# KiCad board FPGA_DevBoard.kicad_pcb (continued)
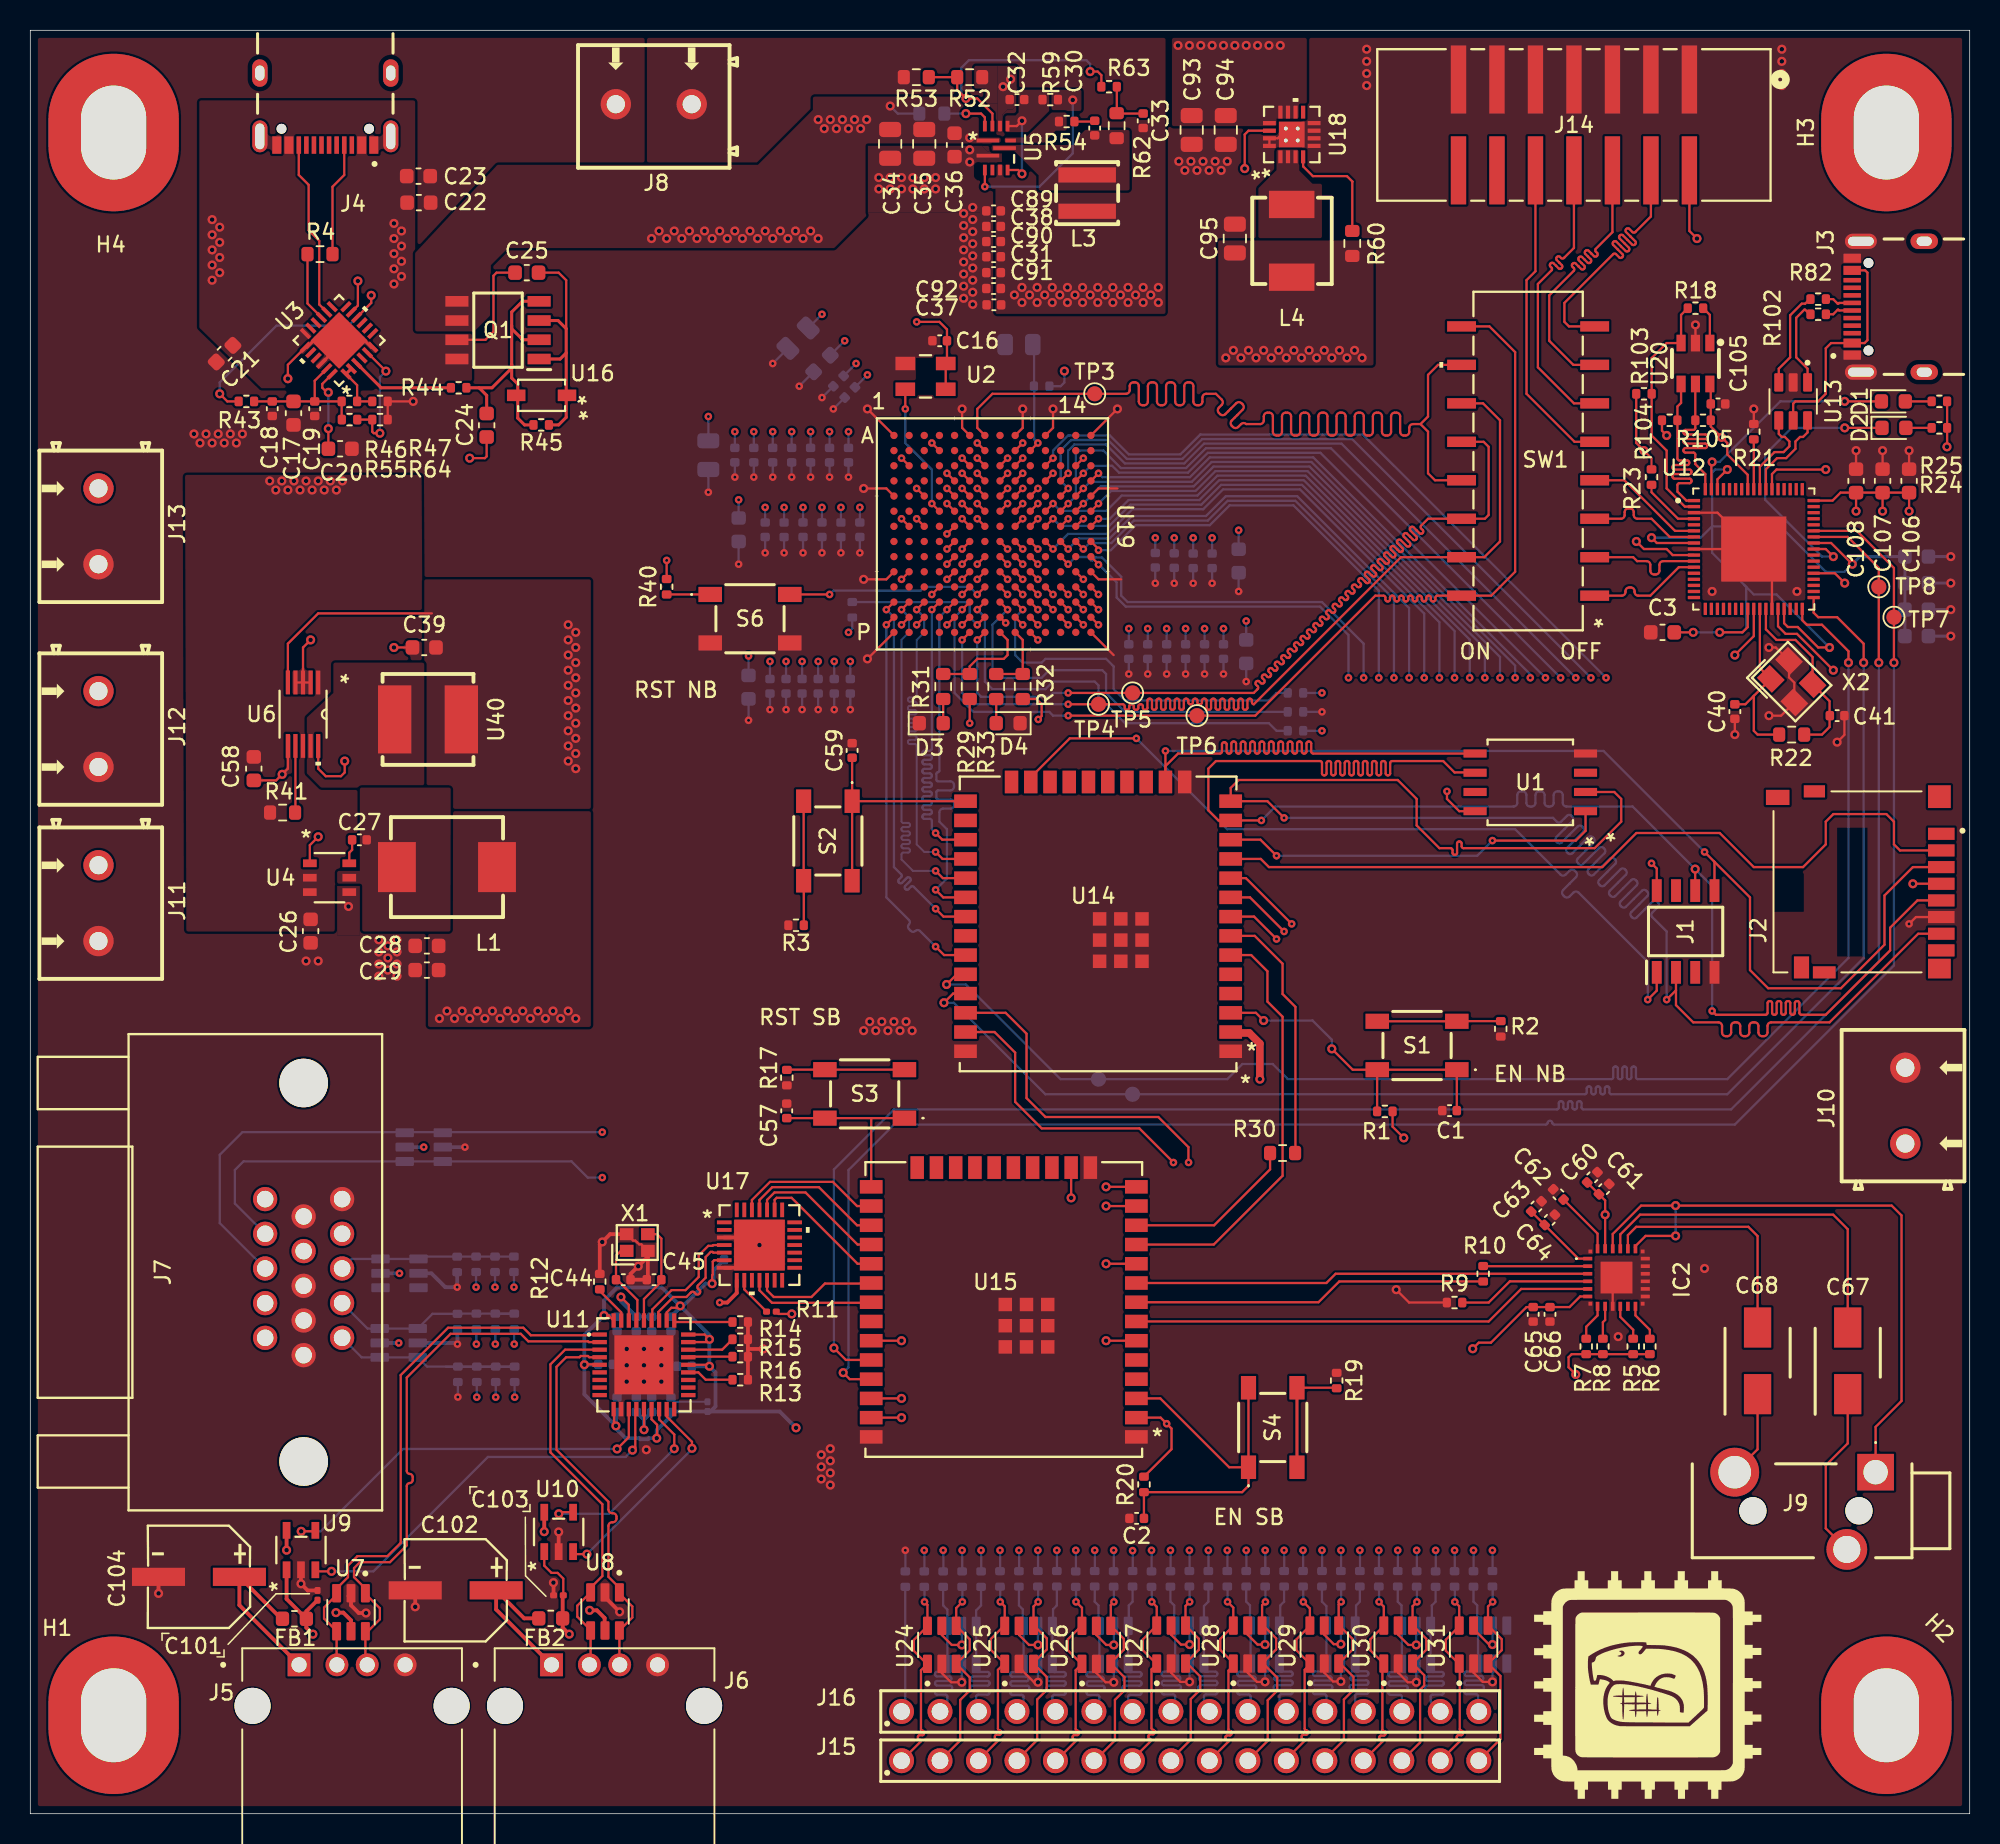
[diagram p0: board, top side]
## Routing (per net, layer and track width the routed paths; a pad name or vN(x,y) marks a point on that pad's centre or on a via; arc(x,y) is an arc through that point) (continued)
  Bottom signal w0.15: v1(68.5,74) 67.5,74 67.25,73.75 62.75,73.75 62.5,74 v1(62.5,77.5)
FPGA_TDO: length 70
  Top signal w0.15: v1(68.5,73.25) 72.11,73.25 arc(72.19,73.21) 72.23,73.13 72.23,73.01 arc(72.27,72.92) 72.35,72.89 72.41,72.89 arc(72.49,72.92) 72.53,73.01 72.53,73.13 arc(72.57,73.21) 72.65,73.25 72.71,73.25 arc(72.79,73.21) 72.83,73.13 72.83,73.01 arc(72.87,72.92) 72.95,72.89 73.01,72.89 arc(73.09,72.92) 73.13,73.01 73.13,73.13 arc(73.17,73.21) 73.25,73.25 73.31,73.25 arc(73.39,73.21) 73.43,73.13 73.43,73.01 arc(73.47,72.92) 73.55,72.89 73.61,72.89 arc(73.69,72.92) 73.73,73.01 73.73,73.49 arc(73.77,73.58) 73.85,73.61 73.91,73.61 arc(73.99,73.58) 74.03,73.49 74.03,73.01 arc(74.07,72.92) 74.15,72.89 74.21,72.89 arc(74.29,72.92) 74.33,73.01 74.33,73.49 arc(74.37,73.58) 74.45,73.61 74.51,73.61 arc(74.59,73.58) 74.63,73.49 74.63,73.01 arc(74.67,72.92) 74.75,72.89 74.81,72.89 arc(74.89,72.92) 74.93,73.01 74.93,73.49 arc(74.97,73.58) 75.05,73.61 75.11,73.61 arc(75.19,73.58) 75.23,73.49 75.23,73.01 arc(75.27,72.92) 75.35,72.89 75.41,72.89 arc(75.49,72.92) 75.53,73.01 75.53,73.49 arc(75.57,73.58) 75.65,73.61 75.71,73.61 arc(75.79,73.58) 75.83,73.49 75.83,73.01 arc(75.87,72.92) 75.95,72.89 76.01,72.89 arc(76.09,72.92) 76.13,73.01 76.13,73.49 arc(76.17,73.58) 76.25,73.61 76.31,73.61 arc(76.39,73.58) 76.43,73.49 76.43,73.37 arc(76.47,73.29) 76.55,73.25 76.61,73.25 arc(76.69,73.29) 76.73,73.37 76.73,73.49 arc(76.77,73.58) 76.85,73.61 76.91,73.61 arc(76.99,73.58) 77.03,73.49 77.03,73.37 arc(77.07,73.29) 77.15,73.25 77.21,73.25 arc(77.29,73.29) 77.33,73.37 77.33,73.49 arc(77.37,73.58) 77.45,73.61 77.51,73.61 arc(77.59,73.58) 77.63,73.49 77.63,73.01 arc(77.67,72.92) 77.75,72.89 77.81,72.89 arc(77.89,72.92) 77.93,73.01 77.93,73.49 arc(77.97,73.58) 78.05,73.61 78.11,73.61 arc(78.19,73.58) 78.23,73.49 78.23,73.01 arc(78.27,72.92) 78.35,72.89 78.41,72.89 arc(78.49,72.92) 78.53,73.01 78.53,73.49 arc(78.57,73.58) 78.65,73.61 78.71,73.61 arc(78.79,73.58) 78.83,73.49 78.83,73.01 arc(78.87,72.92) 78.95,72.89 79.01,72.89 arc(79.09,72.92) 79.13,73.01 79.13,73.49 arc(79.17,73.58) 79.25,73.61 79.31,73.61 arc(79.39,73.58) 79.43,73.49 79.43,73.01 arc(79.47,72.92) 79.55,72.89 79.61,72.89 arc(79.69,72.92) 79.73,73.01 79.73,73.49 arc(79.77,73.58) 79.85,73.61 79.91,73.61 arc(79.99,73.58) 80.03,73.49 80.03,73.01 arc(80.07,72.92) 80.15,72.89 80.21,72.89 arc(80.29,72.92) 80.33,73.01 80.33,73.49 arc(80.37,73.58) 80.45,73.61 80.51,73.61 arc(80.59,73.58) 80.63,73.49 80.63,73.37 arc(80.67,73.29) 80.75,73.25 90.46,82.96 SW1.15 95.96,82.96 97,84 97,92 95.88,93.12 SW1.11 ; U19.P6 v1(61.5,77.5)
  Bottom signal w0.15: v1(68.5,73.25) 62.25,73.25 61.5,74 v1(61.5,77.5)
FPGA_TMS: length 70
  Top signal w0.15: v1(68.5,72.5) 80.85,72.5 88.77,80.42 89.32,80.42 arc(89.4,80.38) 89.44,80.3 89.44,80.16 arc(89.47,80.08) 89.56,80.04 89.62,80.04 arc(89.7,80.08) 89.74,80.16 89.74,80.3 arc(89.77,80.38) 89.86,80.42 89.92,80.42 arc(90,80.38) 90.04,80.3 90.04,80.16 arc(90.07,80.08) 90.16,80.04 90.22,80.04 arc(90.3,80.08) 90.34,80.16 90.34,80.3 arc(90.37,80.38) 90.46,80.42 90.52,80.42 arc(90.6,80.38) 90.64,80.3 90.64,80.16 arc(90.67,80.08) 90.76,80.04 90.82,80.04 arc(90.9,80.08) 90.94,80.16 90.94,80.3 arc(90.97,80.38) 91.06,80.42 91.12,80.42 arc(91.2,80.38) 91.24,80.3 91.24,80.16 arc(91.27,80.08) 91.36,80.04 91.42,80.04 arc(91.5,80.08) 91.54,80.16 91.54,80.3 arc(91.57,80.38) 91.66,80.42 91.72,80.42 arc(91.8,80.38) 91.84,80.3 91.84,80.16 arc(91.87,80.08) 91.96,80.04 92.02,80.04 arc(92.1,80.08) 92.14,80.16 92.14,80.3 arc(92.17,80.38) 92.26,80.42 92.32,80.42 arc(92.4,80.38) 92.44,80.3 92.44,80.16 arc(92.47,80.08) 92.56,80.04 92.62,80.04 arc(92.7,80.08) 92.74,80.16 92.74,80.3 arc(92.77,80.38) 92.86,80.42 SW1.16 96.42,80.42 98,82 98,96.5 96.3,98.2 SW1.9 ; U19.M6 v1(61.5,79.5)
  Bottom signal w0.15: v1(61.5,79.5) 61,79 61,74 62.25,72.75 67.25,72.75 67.5,72.5 v1(68.5,72.5)
G0: length 98.9
  Top signal w0.15: U19.M14 v1(70.5,79.5)
  Top PWR w0.15: v1(70.5,79.5) 71,79 71,75.5 71.29,75.21 71.29,69.02 arc(71.34,68.9) 71.45,68.86 71.52,68.86 arc(71.64,68.81) 71.68,68.7 71.68,68.62 arc(71.64,68.5) 71.52,68.46 71.06,68.46 arc(70.94,68.41) 70.9,68.3 70.9,68.22 arc(70.94,68.1) 71.06,68.06 71.52,68.06 arc(71.64,68.01) 71.68,67.9 71.68,67.82 arc(71.64,67.7) 71.52,67.66 71.06,67.66 arc(70.94,67.61) 70.9,67.5 70.9,67.42 arc(70.94,67.3) 71.06,67.26 71.52,67.26 arc(71.64,67.21) 71.68,67.1 71.68,67.02 arc(71.64,66.9) 71.52,66.86 71.06,66.86 arc(70.94,66.81) 70.9,66.7 70.9,66.62 arc(70.94,66.5) 71.06,66.46 71.52,66.46 arc(71.64,66.41) 71.68,66.3 71.68,66.22 arc(71.64,66.1) 71.52,66.06 71.06,66.06 arc(70.94,66.01) 70.9,65.9 70.9,65.82 arc(70.94,65.7) 71.06,65.66 71.52,65.66 arc(71.64,65.61) 71.68,65.5 71.68,65.42 arc(71.64,65.3) 71.52,65.26 71.06,65.26 arc(70.94,65.21) 70.9,65.1 70.9,65.02 arc(70.94,64.9) 71.06,64.86 71.52,64.86 arc(71.64,64.81) 71.68,64.7 71.68,64.62 arc(71.64,64.5) 71.52,64.46 71.06,64.46 arc(70.94,64.41) 70.9,64.3 70.9,64.22 arc(70.94,64.1) 71.06,64.06 71.52,64.06 arc(71.64,64.01) 71.68,63.9 71.68,63.82 arc(71.64,63.7) 71.52,63.66 71.06,63.66 arc(70.94,63.61) 70.9,63.5 70.9,63.42 arc(70.94,63.3) 71.06,63.26 71.52,63.26 arc(71.64,63.21) 71.68,63.1 71.68,63.02 arc(71.64,62.9) 71.52,62.86 71.06,62.86 arc(70.94,62.81) 70.9,62.7 70.9,62.62 arc(70.94,62.5) 71.06,62.46 71.52,62.46 arc(71.64,62.41) 71.68,62.3 71.68,62.22 arc(71.64,62.1) 71.52,62.06 71.06,62.06 arc(70.94,62.01) 70.9,61.9 70.9,61.82 arc(70.94,61.7) 71.06,61.66 71.52,61.66 arc(71.64,61.61) 71.68,61.5 71.68,61.42 arc(71.64,61.3) 71.52,61.26 71.45,61.26 arc(71.34,61.21) 71.29,61.1 71.29,50.27 62.52,41.5 36.92,41.5 35.44,40.02 35.44,32.12 33.13,29.81 30.63,29.81 v1(29.44,31.01)
  Bottom signal w0.15: R50.1 v1(29.44,31.01)
G1: length 98.9
  Top signal w0.15: U19.M13 v1(69.5,79.5)
  Top PWR w0.15: v1(69.5,79.5) 70,79 70,75.5 68.98,74.48 68.98,71.91 68.49,71.42 68.49,68.95 arc(68.53,68.84) 68.65,68.79 68.73,68.79 arc(68.84,68.75) 68.89,68.63 68.89,68.55 arc(68.84,68.44) 68.73,68.39 68.25,68.39 arc(68.13,68.35) 68.09,68.23 68.09,68.15 arc(68.13,68.04) 68.25,67.99 68.73,67.99 arc(68.84,67.95) 68.89,67.83 68.89,67.75 arc(68.84,67.64) 68.73,67.59 68.25,67.59 arc(68.13,67.55) 68.09,67.43 68.09,67.35 arc(68.13,67.24) 68.25,67.19 68.73,67.19 arc(68.84,67.15) 68.89,67.03 68.89,66.95 arc(68.84,66.84) 68.73,66.79 68.25,66.79 arc(68.13,66.75) 68.09,66.63 68.09,66.55 arc(68.13,66.44) 68.25,66.39 68.73,66.39 arc(68.84,66.35) 68.89,66.23 68.89,66.15 arc(68.84,66.04) 68.73,65.99 68.25,65.99 arc(68.13,65.95) 68.09,65.83 68.09,65.75 arc(68.13,65.64) 68.25,65.59 68.73,65.59 arc(68.84,65.55) 68.89,65.43 68.89,65.35 arc(68.84,65.24) 68.73,65.19 68.25,65.19 arc(68.13,65.15) 68.09,65.03 68.09,64.95 arc(68.13,64.84) 68.25,64.79 68.73,64.79 arc(68.84,64.75) 68.89,64.63 68.89,64.55 arc(68.84,64.44) 68.73,64.39 68.25,64.39 arc(68.13,64.35) 68.09,64.23 68.09,64.15 arc(68.13,64.04) 68.25,63.99 68.73,63.99 arc(68.84,63.95) 68.89,63.83 68.89,63.75 arc(68.84,63.64) 68.73,63.59 68.25,63.59 arc(68.13,63.55) 68.09,63.43 68.09,63.35 arc(68.13,63.24) 68.25,63.19 68.73,63.19 arc(68.84,63.15) 68.89,63.03 68.89,62.95 arc(68.84,62.84) 68.73,62.79 68.25,62.79 arc(68.13,62.75) 68.09,62.63 68.09,62.55 arc(68.13,62.44) 68.25,62.39 68.73,62.39 arc(68.84,62.35) 68.89,62.23 68.89,62.15 arc(68.84,62.04) 68.73,61.99 68.25,61.99 arc(68.13,61.95) 68.09,61.83 68.09,61.75 arc(68.13,61.64) 68.25,61.59 68.73,61.59 arc(68.84,61.55) 68.89,61.43 68.89,61.35 arc(68.84,61.24) 68.73,61.19 68.25,61.19 arc(68.13,61.15) 68.09,61.03 68.09,60.95 arc(68.13,60.84) 68.25,60.79 68.73,60.79 arc(68.84,60.75) 68.89,60.63 68.89,60.55 arc(68.84,60.44) 68.73,60.39 68.25,60.39 arc(68.13,60.35) 68.09,60.23 68.09,60.15 arc(68.13,60.04) 68.25,59.99 68.73,59.99 arc(68.84,59.95) 68.89,59.83 68.89,59.75 arc(68.84,59.64) 68.73,59.59 68.25,59.59 arc(68.13,59.55) 68.09,59.43 68.09,59.35 arc(68.13,59.24) 68.25,59.19 68.73,59.19 arc(68.84,59.15) 68.89,59.03 68.89,58.95 arc(68.84,58.84) 68.73,58.79 68.25,58.79 arc(68.13,58.75) 68.09,58.63 68.09,58.55 arc(68.13,58.44) 68.25,58.39 68.33,58.39 arc(68.44,58.35) 68.49,58.23 68.49,51.05 59.94,42.5 37.05,42.5 34.91,40.35 34.91,32.89 32.55,30.53 31.17,30.53 v1(30.69,31.01)
  Bottom signal w0.15: R49.1 v1(30.69,31.01)
G2: length 98.9
  Top signal w0.15: U19.M12 v1(68.5,79.5)
  Top PWR w0.15: v1(31.94,31.01) 34.42,33.49 34.42,40.68 36.74,43 58.66,43 67.08,51.42 67.08,56.08 arc(67.13,56.2) 67.24,56.24 67.32,56.24 arc(67.44,56.29) 67.48,56.4 67.48,56.48 arc(67.44,56.6) 67.32,56.64 66.85,56.64 arc(66.73,56.69) 66.69,56.8 66.69,56.88 arc(66.73,57) 66.85,57.04 67.32,57.04 arc(67.44,57.09) 67.48,57.2 67.48,57.28 arc(67.44,57.4) 67.32,57.44 66.85,57.44 arc(66.73,57.49) 66.69,57.6 66.69,57.68 arc(66.73,57.8) 66.85,57.84 67.32,57.84 arc(67.44,57.89) 67.48,58 67.48,58.08 arc(67.44,58.2) 67.32,58.24 66.85,58.24 arc(66.73,58.29) 66.69,58.4 66.69,58.48 arc(66.73,58.6) 66.85,58.64 67.32,58.64 arc(67.44,58.69) 67.48,58.8 67.48,58.88 arc(67.44,59) 67.32,59.04 66.85,59.04 arc(66.73,59.09) 66.69,59.2 66.69,59.28 arc(66.73,59.4) 66.85,59.44 67.32,59.44 arc(67.44,59.49) 67.48,59.6 67.48,59.68 arc(67.44,59.8) 67.32,59.84 66.85,59.84 arc(66.73,59.89) 66.69,60 66.69,60.08 arc(66.73,60.2) 66.85,60.24 67.32,60.24 arc(67.44,60.29) 67.48,60.4 67.48,60.48 arc(67.44,60.6) 67.32,60.64 66.85,60.64 arc(66.73,60.69) 66.69,60.8 66.69,60.88 arc(66.73,61) 66.85,61.04 67.32,61.04 arc(67.44,61.09) 67.48,61.2 67.48,61.28 arc(67.44,61.4) 67.32,61.44 66.85,61.44 arc(66.73,61.49) 66.69,61.6 66.69,61.68 arc(66.73,61.8) 66.85,61.84 67.32,61.84 arc(67.44,61.89) 67.48,62 67.48,62.08 arc(67.44,62.2) 67.32,62.24 66.85,62.24 arc(66.73,62.29) 66.69,62.4 66.69,62.48 arc(66.73,62.6) 66.85,62.64 67.32,62.64 arc(67.44,62.69) 67.48,62.8 67.48,62.88 arc(67.44,63) 67.32,63.04 66.85,63.04 arc(66.73,63.09) 66.69,63.2 66.69,63.28 arc(66.73,63.4) 66.85,63.44 67.32,63.44 arc(67.44,63.49) 67.48,63.6 67.48,63.68 arc(67.44,63.8) 67.32,63.84 66.85,63.84 arc(66.73,63.89) 66.69,64 66.69,64.08 arc(66.73,64.2) 66.85,64.24 67.32,64.24 arc(67.44,64.29) 67.48,64.4 67.48,64.48 arc(67.44,64.6) 67.32,64.64 66.85,64.64 arc(66.73,64.69) 66.69,64.8 66.69,64.88 arc(66.73,65) 66.85,65.04 67.32,65.04 arc(67.44,65.09) 67.48,65.2 67.48,65.28 arc(67.44,65.4) 67.32,65.44 66.85,65.44 arc(66.73,65.49) 66.69,65.6 66.69,65.68 arc(66.73,65.8) 66.85,65.84 67.32,65.84 arc(67.44,65.89) 67.48,66 67.48,66.08 arc(67.44,66.2) 67.32,66.24 66.85,66.24 arc(66.73,66.29) 66.69,66.4 66.69,66.48 arc(66.73,66.6) 66.85,66.64 67.32,66.64 arc(67.44,66.69) 67.48,66.8 67.48,66.88 arc(67.44,67) 67.32,67.04 66.85,67.04 arc(66.73,67.09) 66.69,67.2 66.69,67.28 arc(66.73,67.4) 66.85,67.44 67.32,67.44 arc(67.44,67.49) 67.48,67.6 67.48,67.68 arc(67.44,67.8) 67.32,67.84 66.85,67.84 arc(66.73,67.89) 66.69,68 66.69,68.08 arc(66.73,68.2) 66.85,68.24 67.32,68.24 arc(67.44,68.29) 67.48,68.4 67.48,68.48 arc(67.44,68.6) 67.32,68.64 67.24,68.64 arc(67.13,68.69) 67.08,68.8 67.08,73.58 69,75.5 69,79 v1(68.5,79.5)
  Bottom signal w0.15: R48.1 v1(31.94,31.01)
GPIO_0: length 30.2
  Top signal w0.15: U15.37 v2(57.5,26.15)
  Top PWR w0.15: v2(57.5,26.15) 57.5,24.82 56.17,23.49 56.17,23.35 arc(56.2,23.27) 56.29,23.23 56.97,23.23 arc(57.05,23.2) 57.09,23.11 57.09,23.05 arc(57.05,22.97) 56.97,22.93 55.37,22.93 arc(55.28,22.9) 55.25,22.81 55.25,22.75 arc(55.28,22.67) 55.37,22.63 56.97,22.63 arc(57.05,22.6) 57.09,22.51 57.09,22.45 arc(57.05,22.37) 56.97,22.33 55.37,22.33 arc(55.28,22.3) 55.25,22.21 55.25,22.15 arc(55.28,22.07) 55.37,22.03 56.97,22.03 arc(57.05,22) 57.09,21.91 57.09,21.85 arc(57.05,21.77) 56.97,21.73 55.37,21.73 arc(55.28,21.7) 55.25,21.61 55.25,21.55 arc(55.28,21.47) 55.37,21.43 56.97,21.43 arc(57.05,21.4) 57.09,21.31 57.09,21.25 arc(57.05,21.17) 56.97,21.13 55.37,21.13 arc(55.28,21.1) 55.25,21.01 55.25,20.95 arc(55.28,20.87) 55.37,20.83 56.97,20.83 arc(57.05,20.8) 57.09,20.71 57.09,20.65 arc(57.05,20.57) 56.97,20.53 56.29,20.53 arc(56.2,20.5) 56.17,20.41 56.17,19.58 57.11,18.64 58.63,18.64 59,18.27 v1(59,17.39)
  Bottom signal w0.15: v1(59,17.39) 59.01,17.38 59.01,16.12
GPIO_1: length 30.2
  Top signal w0.15: U15.33 v2(57.5,31.23)
  Top PWR w0.15: v2(57.5,31.23) 57.5,31.23 60.64,31.23 61.5,30.37 61.5,24.32 arc(61.46,24.23) 61.38,24.2 61.33,24.2 arc(61.24,24.16) 61.21,24.08 61.21,24.02 arc(61.24,23.93) 61.33,23.9 61.67,23.9 arc(61.76,23.86) 61.79,23.78 61.79,23.72 arc(61.76,23.63) 61.67,23.6 61.33,23.6 arc(61.24,23.56) 61.21,23.48 61.21,23.42 arc(61.24,23.33) 61.33,23.3 61.67,23.3 arc(61.76,23.26) 61.79,23.18 61.79,23.12 arc(61.76,23.03) 61.67,23 61.33,23 arc(61.24,22.96) 61.21,22.88 61.21,22.82 arc(61.24,22.73) 61.33,22.7 61.67,22.7 arc(61.76,22.66) 61.79,22.58 61.79,22.52 arc(61.76,22.43) 61.67,22.4 61.33,22.4 arc(61.24,22.36) 61.21,22.28 61.21,22.22 arc(61.24,22.13) 61.33,22.1 61.67,22.1 arc(61.76,22.06) 61.79,21.98 61.79,21.92 arc(61.76,21.83) 61.67,21.8 61.33,21.8 arc(61.24,21.76) 61.21,21.68 61.21,21.62 arc(61.24,21.53) 61.33,21.5 61.67,21.5 arc(61.76,21.46) 61.79,21.38 61.79,21.32 arc(61.76,21.23) 61.67,21.2 61.33,21.2 arc(61.24,21.16) 61.21,21.08 61.21,21.02 arc(61.24,20.93) 61.33,20.9 61.67,20.9 arc(61.76,20.86) 61.79,20.78 61.79,20.72 arc(61.76,20.63) 61.67,20.6 61.33,20.6 arc(61.24,20.56) 61.21,20.48 61.21,20.42 arc(61.24,20.33) 61.33,20.3 61.67,20.3 arc(61.76,20.26) 61.79,20.18 61.79,20.12 arc(61.76,20.03) 61.67,20 61.33,20 arc(61.24,19.96) 61.21,19.88 61.21,19.82 arc(61.24,19.73) 61.33,19.7 61.67,19.7 arc(61.76,19.66) 61.79,19.58 61.79,19.52 arc(61.76,19.43) 61.67,19.4 61.33,19.4 arc(61.24,19.36) 61.21,19.28 61.21,19.22 arc(61.24,19.13) 61.33,19.1 61.67,19.1 arc(61.76,19.06) 61.79,18.98 61.79,18.92 arc(61.76,18.83) 61.67,18.8 61.33,18.8 arc(61.24,18.76) 61.21,18.68 61.21,18.62 arc(61.24,18.53) 61.33,18.5 61.67,18.5 arc(61.76,18.46) 61.79,18.38 61.79,18.32 arc(61.76,18.23) 61.67,18.2 61.62,18.2 arc(61.54,18.16) 61.5,18.08 v1(61.5,17.39)
  Bottom signal w0.15: v1(61.5,17.39) 61.51,17.38 61.51,16.11
GPIO_2: length 30.2
  Top signal w0.15: U15.14 v2(71,41.39)
  Top PWR w0.15: v1(64,17.39) 64,34.39 v2(71,41.39)
  Bottom signal w0.15: v1(64,17.39) 64.01,17.38 64.01,16.12
GPIO_3: length 30.2
  Top signal w0.15: U15.10 v2(71,36.31)
  Top PWR w0.15: v2(71,36.31) 66.5,31.81 66.5,21.61 arc(66.54,21.53) 66.62,21.49 66.67,21.49 arc(66.76,21.46) 66.79,21.37 66.79,21.31 arc(66.76,21.23) 66.67,21.19 66.33,21.19 arc(66.24,21.16) 66.21,21.07 66.21,21.01 arc(66.24,20.93) 66.33,20.89 66.67,20.89 arc(66.76,20.86) 66.79,20.77 66.79,20.71 arc(66.76,20.63) 66.67,20.59 66.33,20.59 arc(66.24,20.56) 66.21,20.47 66.21,20.41 arc(66.24,20.33) 66.33,20.29 66.67,20.29 arc(66.76,20.26) 66.79,20.17 66.79,20.11 arc(66.76,20.03) 66.67,19.99 66.33,19.99 arc(66.24,19.96) 66.21,19.87 66.21,19.81 arc(66.24,19.73) 66.33,19.69 66.67,19.69 arc(66.76,19.66) 66.79,19.57 66.79,19.51 arc(66.76,19.43) 66.67,19.39 66.33,19.39 arc(66.24,19.36) 66.21,19.27 66.21,19.21 arc(66.24,19.13) 66.33,19.09 66.67,19.09 arc(66.76,19.06) 66.79,18.97 66.79,18.91 arc(66.76,18.83) 66.67,18.79 66.33,18.79 arc(66.24,18.76) 66.21,18.67 66.21,18.61 arc(66.24,18.53) 66.33,18.49 66.67,18.49 arc(66.76,18.46) 66.79,18.37 66.79,18.31 arc(66.76,18.23) 66.67,18.19 66.33,18.19 arc(66.24,18.16) 66.21,18.07 66.21,18.01 arc(66.24,17.93) 66.33,17.89 66.67,17.89 arc(66.76,17.86) 66.79,17.77 66.79,17.71 arc(66.76,17.63) 66.67,17.59 66.62,17.59 arc(66.54,17.56) 66.5,17.47 v1(66.5,17.39)
  Bottom signal w0.15: v1(66.5,17.39) 66.51,17.38 66.51,16.12
GPIO_4: length 51.8
  Top signal w0.15: U14.37 63.64,51.61 65,50.25 65,47 66.75,45.25 73.2,45.25 75.45,43
  Top PWR w0.15: v1(75.45,43) 75.45,31.84 arc(75.42,31.77) 75.35,31.74 arc(75.28,31.71) 75.25,31.64 75.25,31.54 arc(75.28,31.47) 75.35,31.44 75.55,31.44 arc(75.62,31.41) 75.65,31.34 75.65,31.24 arc(75.62,31.17) 75.55,31.14 75.35,31.14 arc(75.28,31.11) 75.25,31.04 75.25,30.94 arc(75.28,30.87) 75.35,30.84 75.55,30.84 arc(75.62,30.81) 75.65,30.74 75.65,30.64 arc(75.62,30.57) 75.55,30.54 75.35,30.54 arc(75.28,30.51) 75.25,30.44 75.25,30.34 arc(75.28,30.27) 75.35,30.24 75.55,30.24 arc(75.62,30.21) 75.65,30.14 75.65,30.04 arc(75.62,29.97) 75.55,29.94 75.35,29.94 arc(75.28,29.91) 75.25,29.84 75.25,29.74 arc(75.28,29.67) 75.35,29.64 75.55,29.64 arc(75.62,29.61) 75.65,29.54 75.65,29.44 arc(75.62,29.37) 75.55,29.34 75.35,29.34 arc(75.28,29.31) 75.25,29.24 75.25,29.14 arc(75.28,29.07) 75.35,29.04 75.55,29.04 arc(75.62,29.01) 75.65,28.94 75.65,28.84 arc(75.62,28.77) 75.55,28.74 arc(75.48,28.71) 75.45,28.64 75.45,28.23 69,21.78 v1(69,17.39)
  Bottom signal w0.15: v1(69,17.39) 69.01,17.38 69.01,16.12
GPIO_5: length 51.8
  Top signal w0.15: U14.8 80.77,59.23 v1(82.25,57.75)
  Top PWR w0.15: v1(71.5,17.39) 71.5,21.47 77.44,27.4 77.44,29.02 arc(77.47,29.09) 77.54,29.12 arc(77.61,29.15) 77.64,29.22 77.64,29.32 arc(77.61,29.39) 77.54,29.42 77.34,29.42 arc(77.27,29.45) 77.24,29.52 77.24,29.62 arc(77.27,29.69) 77.34,29.72 77.54,29.72 arc(77.61,29.75) 77.64,29.82 77.64,29.92 arc(77.61,29.99) 77.54,30.02 77.34,30.02 arc(77.27,30.05) 77.24,30.12 77.24,30.22 arc(77.27,30.29) 77.34,30.32 77.54,30.32 arc(77.61,30.35) 77.64,30.42 77.64,30.52 arc(77.61,30.59) 77.54,30.62 77.34,30.62 arc(77.27,30.65) 77.24,30.72 77.24,30.82 arc(77.27,30.89) 77.34,30.92 77.54,30.92 arc(77.61,30.95) 77.64,31.02 77.64,31.12 arc(77.61,31.19) 77.54,31.22 arc(77.47,31.25) 77.44,31.32 77.44,51.44 82.25,56.25 82.25,57.75 v1(82.25,57.75)
  Bottom signal w0.15: v1(71.5,17.39) 71.51,17.38 71.51,16.12
GPIO_6: length 51.7
  Top signal w0.15: v1(83.25,58.75) 80.23,61.77 U14.10
  Top PWR w0.15: v1(74,17.39) 74,21.15 79.43,26.58 79.43,49.03 83.25,52.86 v1(83.25,58.75)
  Bottom signal w0.15: v1(74,17.39) 74.01,17.38 74.01,16.12
GPIO_17: length 30
  Top signal w0.15: U15.36 v2(57.5,27.42)
  Top PWR w0.15: v1(60.25,17.39) 60.25,17.68 arc(60.29,17.77) 60.37,17.8 60.43,17.8 arc(60.51,17.84) 60.55,17.92 60.55,17.98 arc(60.51,18.07) 60.43,18.1 60.07,18.1 arc(59.99,18.14) 59.95,18.22 59.95,18.28 arc(59.99,18.37) 60.07,18.4 60.43,18.4 arc(60.51,18.44) 60.55,18.52 60.55,18.58 arc(60.51,18.67) 60.43,18.7 60.07,18.7 arc(59.99,18.74) 59.95,18.82 59.95,18.88 arc(59.99,18.97) 60.07,19 60.43,19 arc(60.51,19.04) 60.55,19.12 60.55,19.18 arc(60.51,19.27) 60.43,19.3 60.07,19.3 arc(59.99,19.34) 59.95,19.42 59.95,19.48 arc(59.99,19.57) 60.07,19.6 60.43,19.6 arc(60.51,19.64) 60.55,19.72 60.55,19.78 arc(60.51,19.87) 60.43,19.9 60.07,19.9 arc(59.99,19.94) 59.95,20.02 59.95,20.08 arc(59.99,20.17) 60.07,20.2 60.43,20.2 arc(60.51,20.24) 60.55,20.32 60.55,20.38 arc(60.51,20.47) 60.43,20.5 60.07,20.5 arc(59.99,20.54) 59.95,20.62 59.95,20.68 arc(59.99,20.77) 60.07,20.8 60.43,20.8 arc(60.51,20.84) 60.55,20.92 60.55,20.98 arc(60.51,21.07) 60.43,21.1 60.07,21.1 arc(59.99,21.14) 59.95,21.22 59.95,21.28 arc(59.99,21.37) 60.07,21.4 60.43,21.4 arc(60.51,21.44) 60.55,21.52 60.55,21.58 arc(60.51,21.67) 60.43,21.7 60.07,21.7 arc(59.99,21.74) 59.95,21.82 59.95,21.88 arc(59.99,21.97) 60.07,22 60.43,22 arc(60.51,22.04) 60.55,22.12 60.55,22.18 arc(60.51,22.27) 60.43,22.3 60.07,22.3 arc(59.99,22.34) 59.95,22.42 59.95,22.48 arc(59.99,22.57) 60.07,22.6 60.43,22.6 arc(60.51,22.64) 60.55,22.72 60.55,22.78 arc(60.51,22.87) 60.43,22.9 60.07,22.9 arc(59.99,22.94) 59.95,23.02 59.95,23.08 arc(59.99,23.17) 60.07,23.2 60.43,23.2 arc(60.51,23.24) 60.55,23.32 60.55,23.38 arc(60.51,23.47) 60.43,23.5 60.07,23.5 arc(59.99,23.54) 59.95,23.62 59.95,23.68 arc(59.99,23.77) 60.07,23.8 60.43,23.8 arc(60.51,23.84) 60.55,23.92 60.55,23.98 arc(60.51,24.07) 60.43,24.1 60.07,24.1 arc(59.99,24.14) 59.95,24.22 59.95,24.28 arc(59.99,24.37) 60.07,24.4 60.43,24.4 arc(60.51,24.44) 60.55,24.52 60.55,24.58 arc(60.51,24.67) 60.43,24.7 60.07,24.7 arc(59.99,24.74) 59.95,24.82 59.95,24.88 arc(59.99,24.97) 60.07,25 60.43,25 arc(60.51,25.04) 60.55,25.12 60.55,25.18 arc(60.51,25.27) 60.43,25.3 60.07,25.3 arc(59.99,25.34) 59.95,25.42 59.95,25.48 arc(59.99,25.57) 60.07,25.6 60.43,25.6 arc(60.51,25.64) 60.55,25.72 60.55,25.78 arc(60.51,25.87) 60.43,25.9 60.07,25.9 arc(59.99,25.94) 59.95,26.02 59.95,26.08 arc(59.99,26.17) 60.07,26.2 60.43,26.2 arc(60.51,26.24) 60.55,26.32 60.55,26.38 arc(60.51,26.47) 60.43,26.5 60.37,26.5 arc(60.29,26.54) 60.25,26.62 60.25,26.82 59.65,27.42 v2(57.5,27.42)
  Bottom signal w0.15: v1(60.25,17.39) 60.26,17.38 60.26,16.12
GPIO_18: length 30.2
  Top signal w0.15: U15.16 v2(68.69,40.66)
  Top PWR w0.15: v1(62.75,17.39) 62.75,17.68 arc(62.79,17.77) 62.87,17.8 62.9,17.8 arc(62.98,17.84) 63.02,17.92 63.02,17.98 arc(62.98,18.07) 62.9,18.1 62.6,18.1 arc(62.52,18.14) 62.48,18.22 62.48,18.28 arc(62.52,18.37) 62.6,18.4 62.9,18.4 arc(62.98,18.44) 63.02,18.52 63.02,18.58 arc(62.98,18.67) 62.9,18.7 62.87,18.7 arc(62.79,18.74) 62.75,18.82 62.75,34.71 v2(68.69,40.66)
  Bottom signal w0.15: v1(62.75,17.39) 62.76,17.38 62.76,16.11
GPIO_19: length 30.2
  Top signal w0.15: U15.13 v2(71,40.12)
  Top PWR w0.15: v1(65.25,17.39) 65.25,17.44 arc(65.29,17.52) 65.37,17.56 65.42,17.56 arc(65.5,17.59) 65.54,17.68 65.54,17.74 arc(65.5,17.82) 65.42,17.86 65.08,17.86 arc(65,17.89) 64.96,17.98 64.96,18.04 arc(65,18.12) 65.08,18.16 65.42,18.16 arc(65.5,18.19) 65.54,18.28 65.54,18.34 arc(65.5,18.42) 65.42,18.46 65.08,18.46 arc(65,18.49) 64.96,18.58 64.96,18.64 arc(65,18.72) 65.08,18.76 65.13,18.76 arc(65.21,18.79) 65.25,18.88 65.25,34.37 v2(71,40.12)
  Bottom signal w0.15: v1(65.25,17.39) 65.26,17.38 65.26,16.12
GPIO_20: length 30.2
  Top signal w0.15: U15.6 v2(71,31.23)
  Top PWR w0.15: v2(71,31.23) 67.75,27.98 67.75,25.35 arc(67.71,25.27) 67.63,25.23 67.57,25.23 arc(67.49,25.2) 67.45,25.11 67.45,25.05 arc(67.49,24.97) 67.57,24.93 67.93,24.93 arc(68.01,24.9) 68.05,24.81 68.05,24.75 arc(68.01,24.67) 67.93,24.63 67.57,24.63 arc(67.49,24.6) 67.45,24.51 67.45,24.45 arc(67.49,24.37) 67.57,24.33 67.93,24.33 arc(68.01,24.3) 68.05,24.21 68.05,24.15 arc(68.01,24.07) 67.93,24.03 67.57,24.03 arc(67.49,24) 67.45,23.91 67.45,23.85 arc(67.49,23.77) 67.57,23.73 67.93,23.73 arc(68.01,23.7) 68.05,23.61 68.05,23.55 arc(68.01,23.47) 67.93,23.43 67.57,23.43 arc(67.49,23.4) 67.45,23.31 67.45,23.25 arc(67.49,23.17) 67.57,23.13 67.93,23.13 arc(68.01,23.1) 68.05,23.01 68.05,22.95 arc(68.01,22.87) 67.93,22.83 67.57,22.83 arc(67.49,22.8) 67.45,22.71 67.45,22.65 arc(67.49,22.57) 67.57,22.53 67.93,22.53 arc(68.01,22.5) 68.05,22.41 68.05,22.35 arc(68.01,22.27) 67.93,22.23 67.57,22.23 arc(67.49,22.2) 67.45,22.11 67.45,22.05 arc(67.49,21.97) 67.57,21.93 67.93,21.93 arc(68.01,21.9) 68.05,21.81 68.05,21.75 arc(68.01,21.67) 67.93,21.63 67.57,21.63 arc(67.49,21.6) 67.45,21.51 67.45,21.45 arc(67.49,21.37) 67.57,21.33 67.93,21.33 arc(68.01,21.3) 68.05,21.21 68.05,21.15 arc(68.01,21.07) 67.93,21.03 67.57,21.03 arc(67.49,21) 67.45,20.91 67.45,20.85 arc(67.49,20.77) 67.57,20.73 67.93,20.73 arc(68.01,20.7) 68.05,20.61 68.05,20.55 arc(68.01,20.47) 67.93,20.43 67.57,20.43 arc(67.49,20.4) 67.45,20.31 67.45,20.25 arc(67.49,20.17) 67.57,20.13 67.93,20.13 arc(68.01,20.1) 68.05,20.01 68.05,19.95 arc(68.01,19.87) 67.93,19.83 67.57,19.83 arc(67.49,19.8) 67.45,19.71 67.45,19.65 arc(67.49,19.57) 67.57,19.53 67.93,19.53 arc(68.01,19.5) 68.05,19.41 68.05,19.35 arc(68.01,19.27) 67.93,19.23 67.57,19.23 arc(67.49,19.2) 67.45,19.11 67.45,19.05 arc(67.49,18.97) 67.57,18.93 67.93,18.93 arc(68.01,18.9) 68.05,18.81 68.05,18.75 arc(68.01,18.67) 67.93,18.63 67.57,18.63 arc(67.49,18.6) 67.45,18.51 67.45,18.45 arc(67.49,18.37) 67.57,18.33 67.93,18.33 arc(68.01,18.3) 68.05,18.21 68.05,18.15 arc(68.01,18.07) 67.93,18.03 67.87,18.03 arc(67.79,18) 67.75,17.91 v1(67.75,17.39)
  Bottom signal w0.15: v1(67.75,17.39) 67.76,17.38 67.76,16.12
GPIO_21: length 51.9
  Top signal w0.15: v1(76.45,43) 76.44,43.01 76.44,44.01 74.45,46 67,46 65.75,47.25 65.75,51.5 64.37,52.88 U14.36
  Top PWR w0.15: v1(76.45,43) 76.45,29.77 arc(76.42,29.7) 76.35,29.67 arc(76.28,29.64) 76.25,29.57 76.25,29.47 arc(76.28,29.4) 76.35,29.37 76.55,29.37 arc(76.62,29.34) 76.65,29.27 76.65,29.17 arc(76.62,29.1) 76.55,29.07 arc(76.48,29.04) 76.45,28.97 76.45,27.89 70.25,21.7 v1(70.25,17.39)
  Bottom signal w0.15: v1(70.25,17.39) 70.26,17.38 70.26,16.12
GPIO_22: length 51.9
  Top signal w0.15: v1(82.75,58.25) 80.5,60.5 U14.9
  Top PWR w0.15: v1(82.75,58.25) 82.75,55.35 78.44,51.04 78.44,30.37 arc(78.41,30.3) 78.34,30.27 arc(78.27,30.24) 78.24,30.17 78.24,30.07 arc(78.27,30) 78.34,29.97 78.54,29.97 arc(78.61,29.94) 78.64,29.87 78.64,29.77 arc(78.61,29.7) 78.54,29.67 78.34,29.67 arc(78.27,29.64) 78.24,29.57 78.24,29.47 arc(78.27,29.4) 78.34,29.37 78.54,29.37 arc(78.61,29.34) 78.64,29.27 78.64,29.17 arc(78.61,29.1) 78.54,29.07 arc(78.47,29.04) 78.44,28.97 78.44,26.99 72.75,21.3 v1(72.75,17.37)
  Bottom signal w0.15: 72.76,16.12 72.76,17.36 v1(72.75,17.37)
NBRXD: length 97
  Top signal w0.15: U14.34 61.15,55.42 v2(60.47,54.75) ; v2(120,76) 120,76.75 118.25,78.5 117.25,78.5 116.95,78.8 U12.34
  Bottom signal w0.15: v2(60.47,54.75) 61.75,54.75 68,48.5 79,48.5 80,49.5 82,49.5 83,48.5 104.35,48.5 arc(104.44,48.54) 104.47,48.62 104.47,49.21 arc(104.51,49.3) 104.59,49.33 104.65,49.33 arc(104.74,49.3) 104.77,49.21 104.77,48.62 arc(104.81,48.54) 104.89,48.5 104.95,48.5 arc(105.04,48.54) 105.07,48.62 105.07,49.21 arc(105.11,49.3) 105.19,49.33 105.25,49.33 arc(105.34,49.3) 105.37,49.21 105.37,48.62 arc(105.41,48.54) 105.49,48.5 105.55,48.5 arc(105.64,48.54) 105.67,48.62 105.67,49.21 arc(105.71,49.3) 105.79,49.33 105.85,49.33 arc(105.94,49.3) 105.97,49.21 105.97,48.62 arc(106.01,48.54) 106.09,48.5 112,48.5 120,56.5 v2(120,76)
NBSB_RX: length 16.8
  Top signal w0.15: 83.5,43.89 83.5,53.27 82.65,54.12 82.65,56.12 80.81,57.96 U14.7
NBSB_TX: length 28.3
  Top signal w0.15: U14.6 80.58,56.69 81.65,55.62 81.65,53.62 82.65,52.62 82.65,42.12 78.11,37.58 U15.11
NBTXD: length 97
  Top signal w0.15: v2(121,76) 121,77.25 119.25,79 118,79 117.7,79.3 U12.35 ; U14.35 60.91,54.15 v2(60.3,53.54)
  Bottom signal w0.15: v2(60.3,53.54) 60.96,53.54 67,47.5 102.6,47.5 arc(102.69,47.54) 102.72,47.62 102.72,47.9 arc(102.76,47.98) 102.84,48.02 102.9,48.02 arc(102.99,47.98) 103.02,47.9 103.02,47.62 arc(103.06,47.54) 103.14,47.5 103.2,47.5 arc(103.29,47.54) 103.32,47.62 103.32,47.9 arc(103.36,47.98) 103.44,48.02 103.5,48.02 arc(103.59,47.98) 103.62,47.9 103.62,47.62 arc(103.66,47.54) 103.74,47.5 103.8,47.5 arc(103.89,47.54) 103.92,47.62 103.92,47.9 arc(103.96,47.98) 104.04,48.02 104.1,48.02 arc(104.19,47.98) 104.22,47.9 104.22,47.62 arc(104.26,47.54) 104.34,47.5 112,47.5 121,56.5 v2(121,76)
R0: length 97.9
  Top signal w0.15: U19.L13 v1(69.5,80.5)
  Top PWR w0.15: v1(29.47,27.5) 30.61,26.36 32.42,26.36 36.94,30.88 36.94,38.7 38.24,40 66.81,40 75.5,48.68 75.5,72 73,74.5 73,79 71,81 70,81 v1(69.5,80.5)
  Bottom signal w0.15: R61.1 v1(29.47,27.5)
R1: length 98.9
  Top signal w0.15: U19.L14 v1(70.5,80.5)
  Top PWR w0.15: v1(30.72,27.5) 30.72,27.48 31.3,26.89 32.14,26.89 36.44,31.19 36.44,39.17 37.77,40.5 65.23,40.5 74.09,49.37 74.09,64.68 arc(74.14,64.79) 74.25,64.84 74.32,64.84 arc(74.44,64.88) 74.48,65 74.48,65.08 arc(74.44,65.19) 74.32,65.24 73.87,65.24 arc(73.75,65.28) 73.71,65.4 73.71,65.48 arc(73.75,65.59) 73.87,65.64 74.32,65.64 arc(74.44,65.68) 74.48,65.8 74.48,65.88 arc(74.44,65.99) 74.32,66.04 73.87,66.04 arc(73.75,66.08) 73.71,66.2 73.71,66.28 arc(73.75,66.39) 73.87,66.44 74.32,66.44 arc(74.44,66.48) 74.48,66.6 74.48,66.68 arc(74.44,66.79) 74.32,66.84 73.87,66.84 arc(73.75,66.88) 73.71,67 73.71,67.08 arc(73.75,67.19) 73.87,67.24 74.32,67.24 arc(74.44,67.28) 74.48,67.4 74.48,67.48 arc(74.44,67.59) 74.32,67.64 73.87,67.64 arc(73.75,67.68) 73.71,67.8 73.71,67.88 arc(73.75,67.99) 73.87,68.04 74.32,68.04 arc(74.44,68.08) 74.48,68.2 74.48,68.28 arc(74.44,68.39) 74.32,68.44 73.87,68.44 arc(73.75,68.48) 73.71,68.6 73.71,68.68 arc(73.75,68.79) 73.87,68.84 74.32,68.84 arc(74.44,68.88) 74.48,69 74.48,69.08 arc(74.44,69.19) 74.32,69.24 74.25,69.24 arc(74.14,69.28) 74.09,69.4 74.09,72.49 72,74.58 72,79.1 71.8,79.3 71.8,79.3 70.82,80.28 70.82,80.28 70.6,80.5 v1(70.5,80.5)
  Bottom signal w0.15: R58.1 v1(30.72,27.5)
